# Altium PCB PCB1.PcbDoc (part 1 of 2)
Units mil, origin at the board's own origin, x right, y up, seen from the top; angles counter-clockwise.
Board outline 5128 x 3429 mil, 2 copper layers (Top Layer, Bottom Layer); 202 components, 144 nets, 652 pads, 630 vias.
Unrouted connection lines stored in the file: 1.
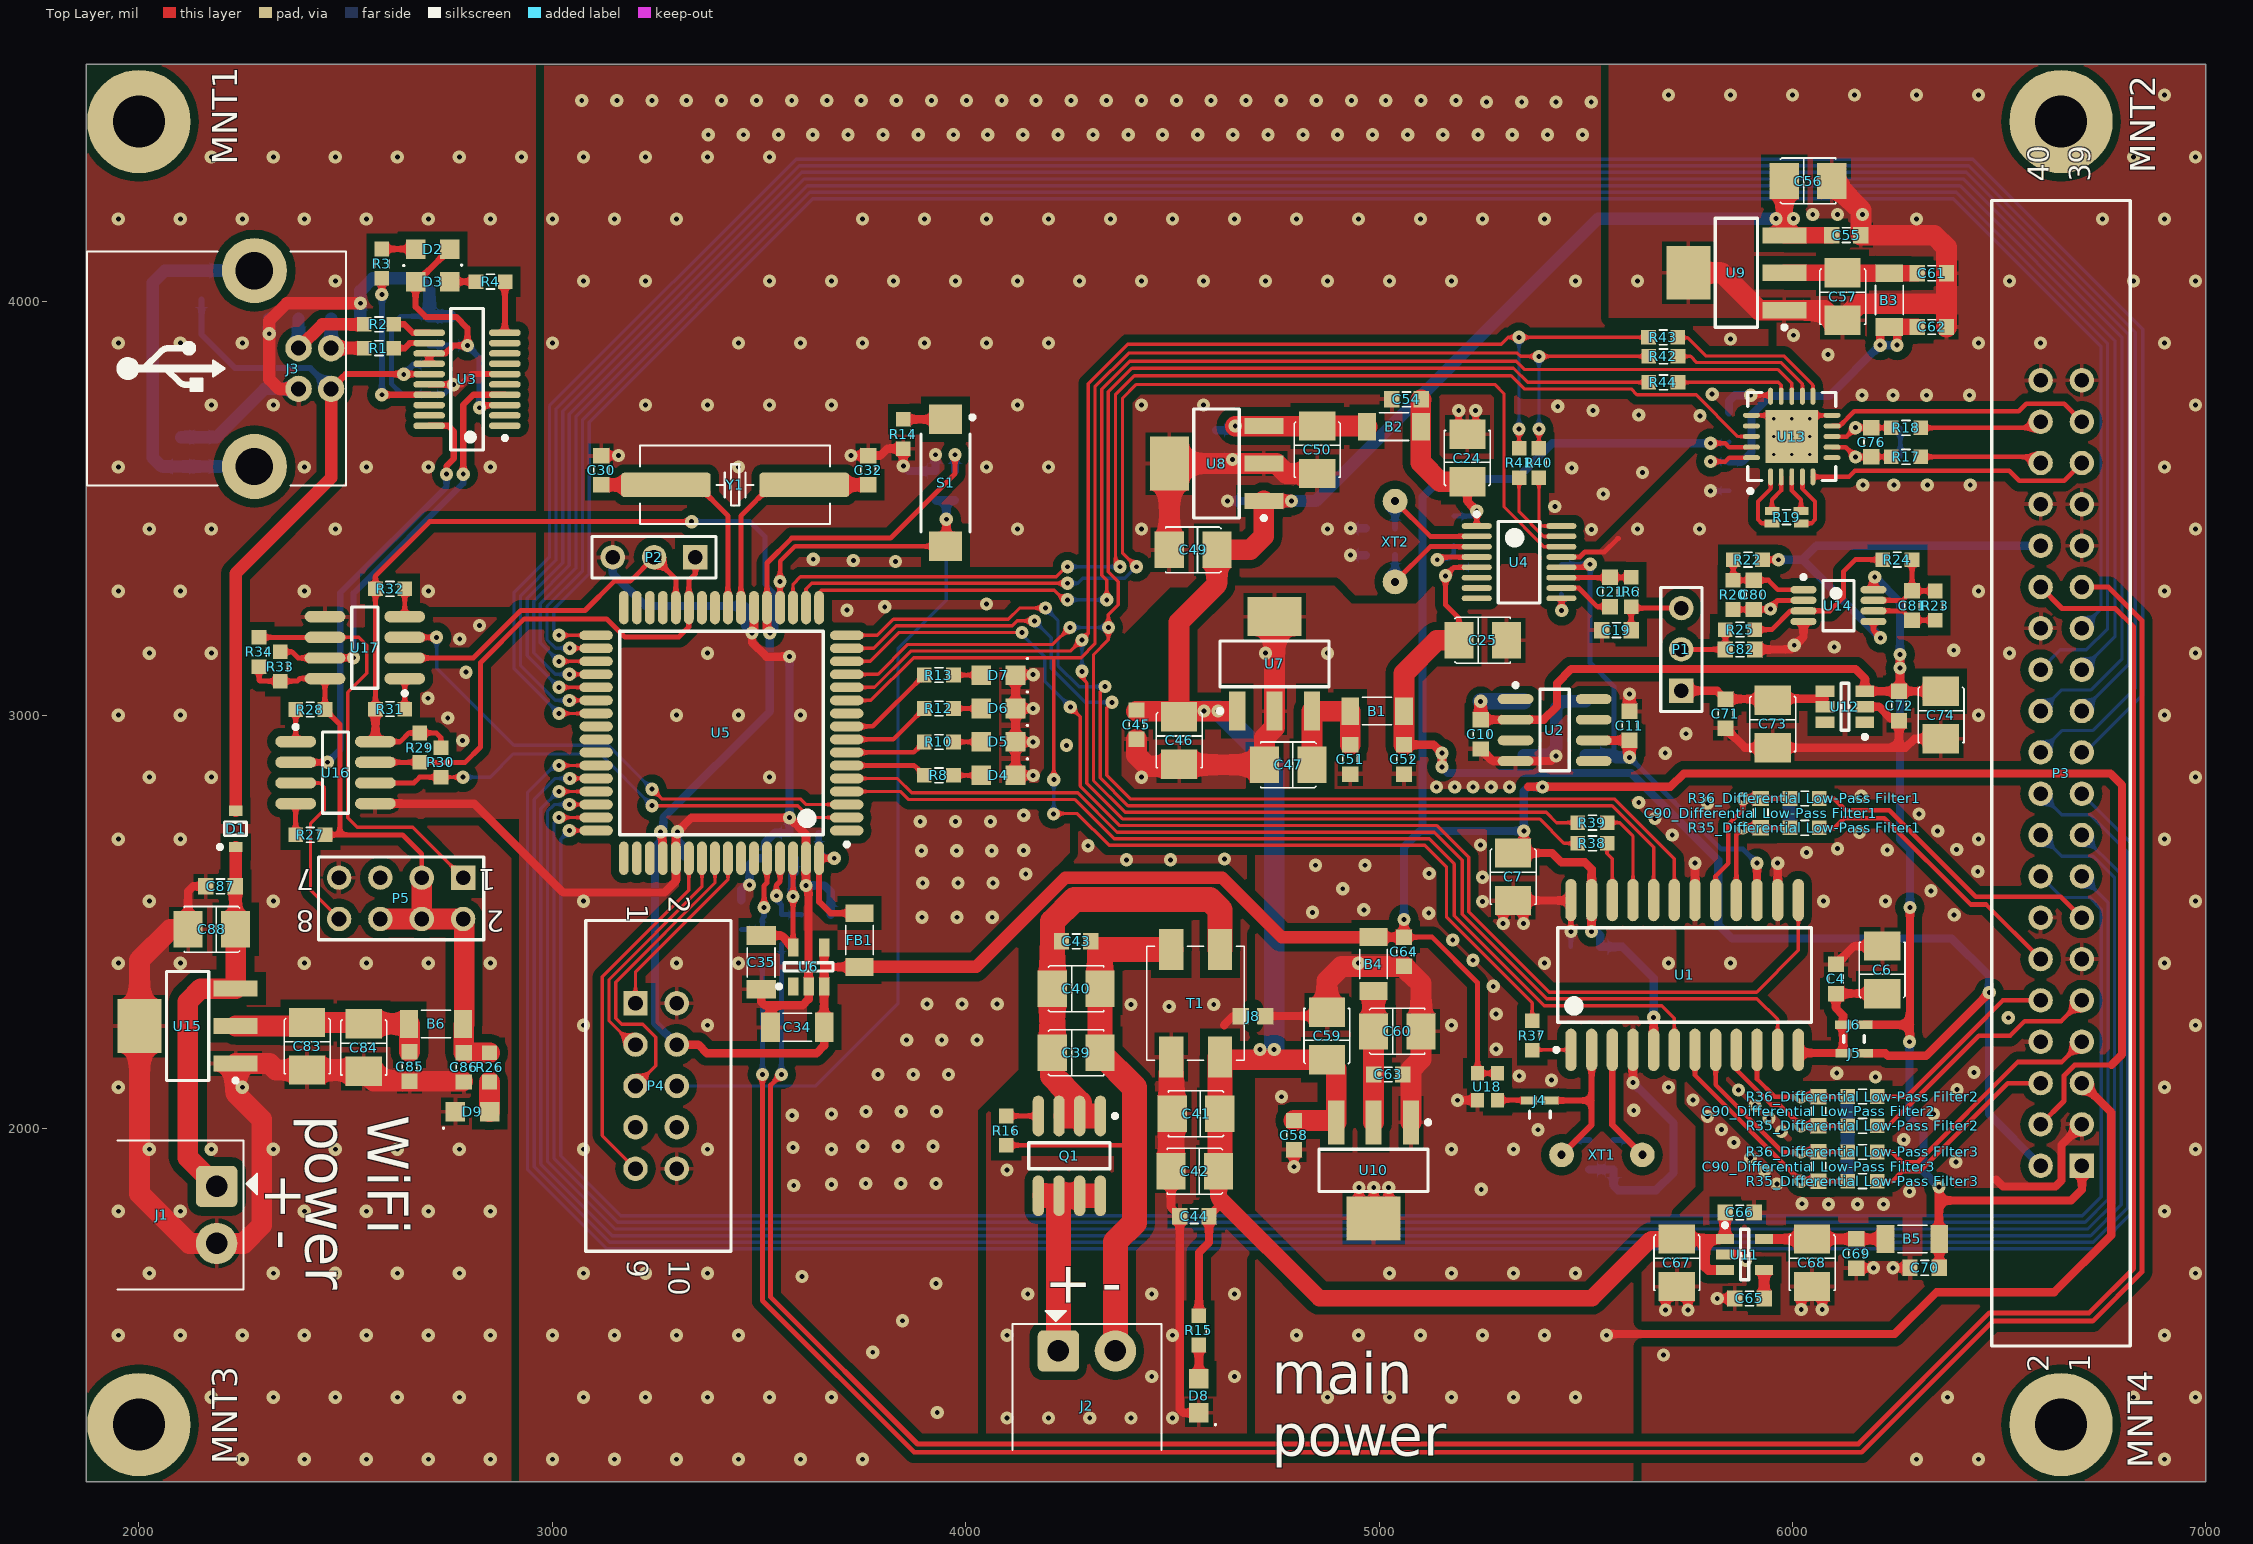
[diagram p0: Top Layer view]
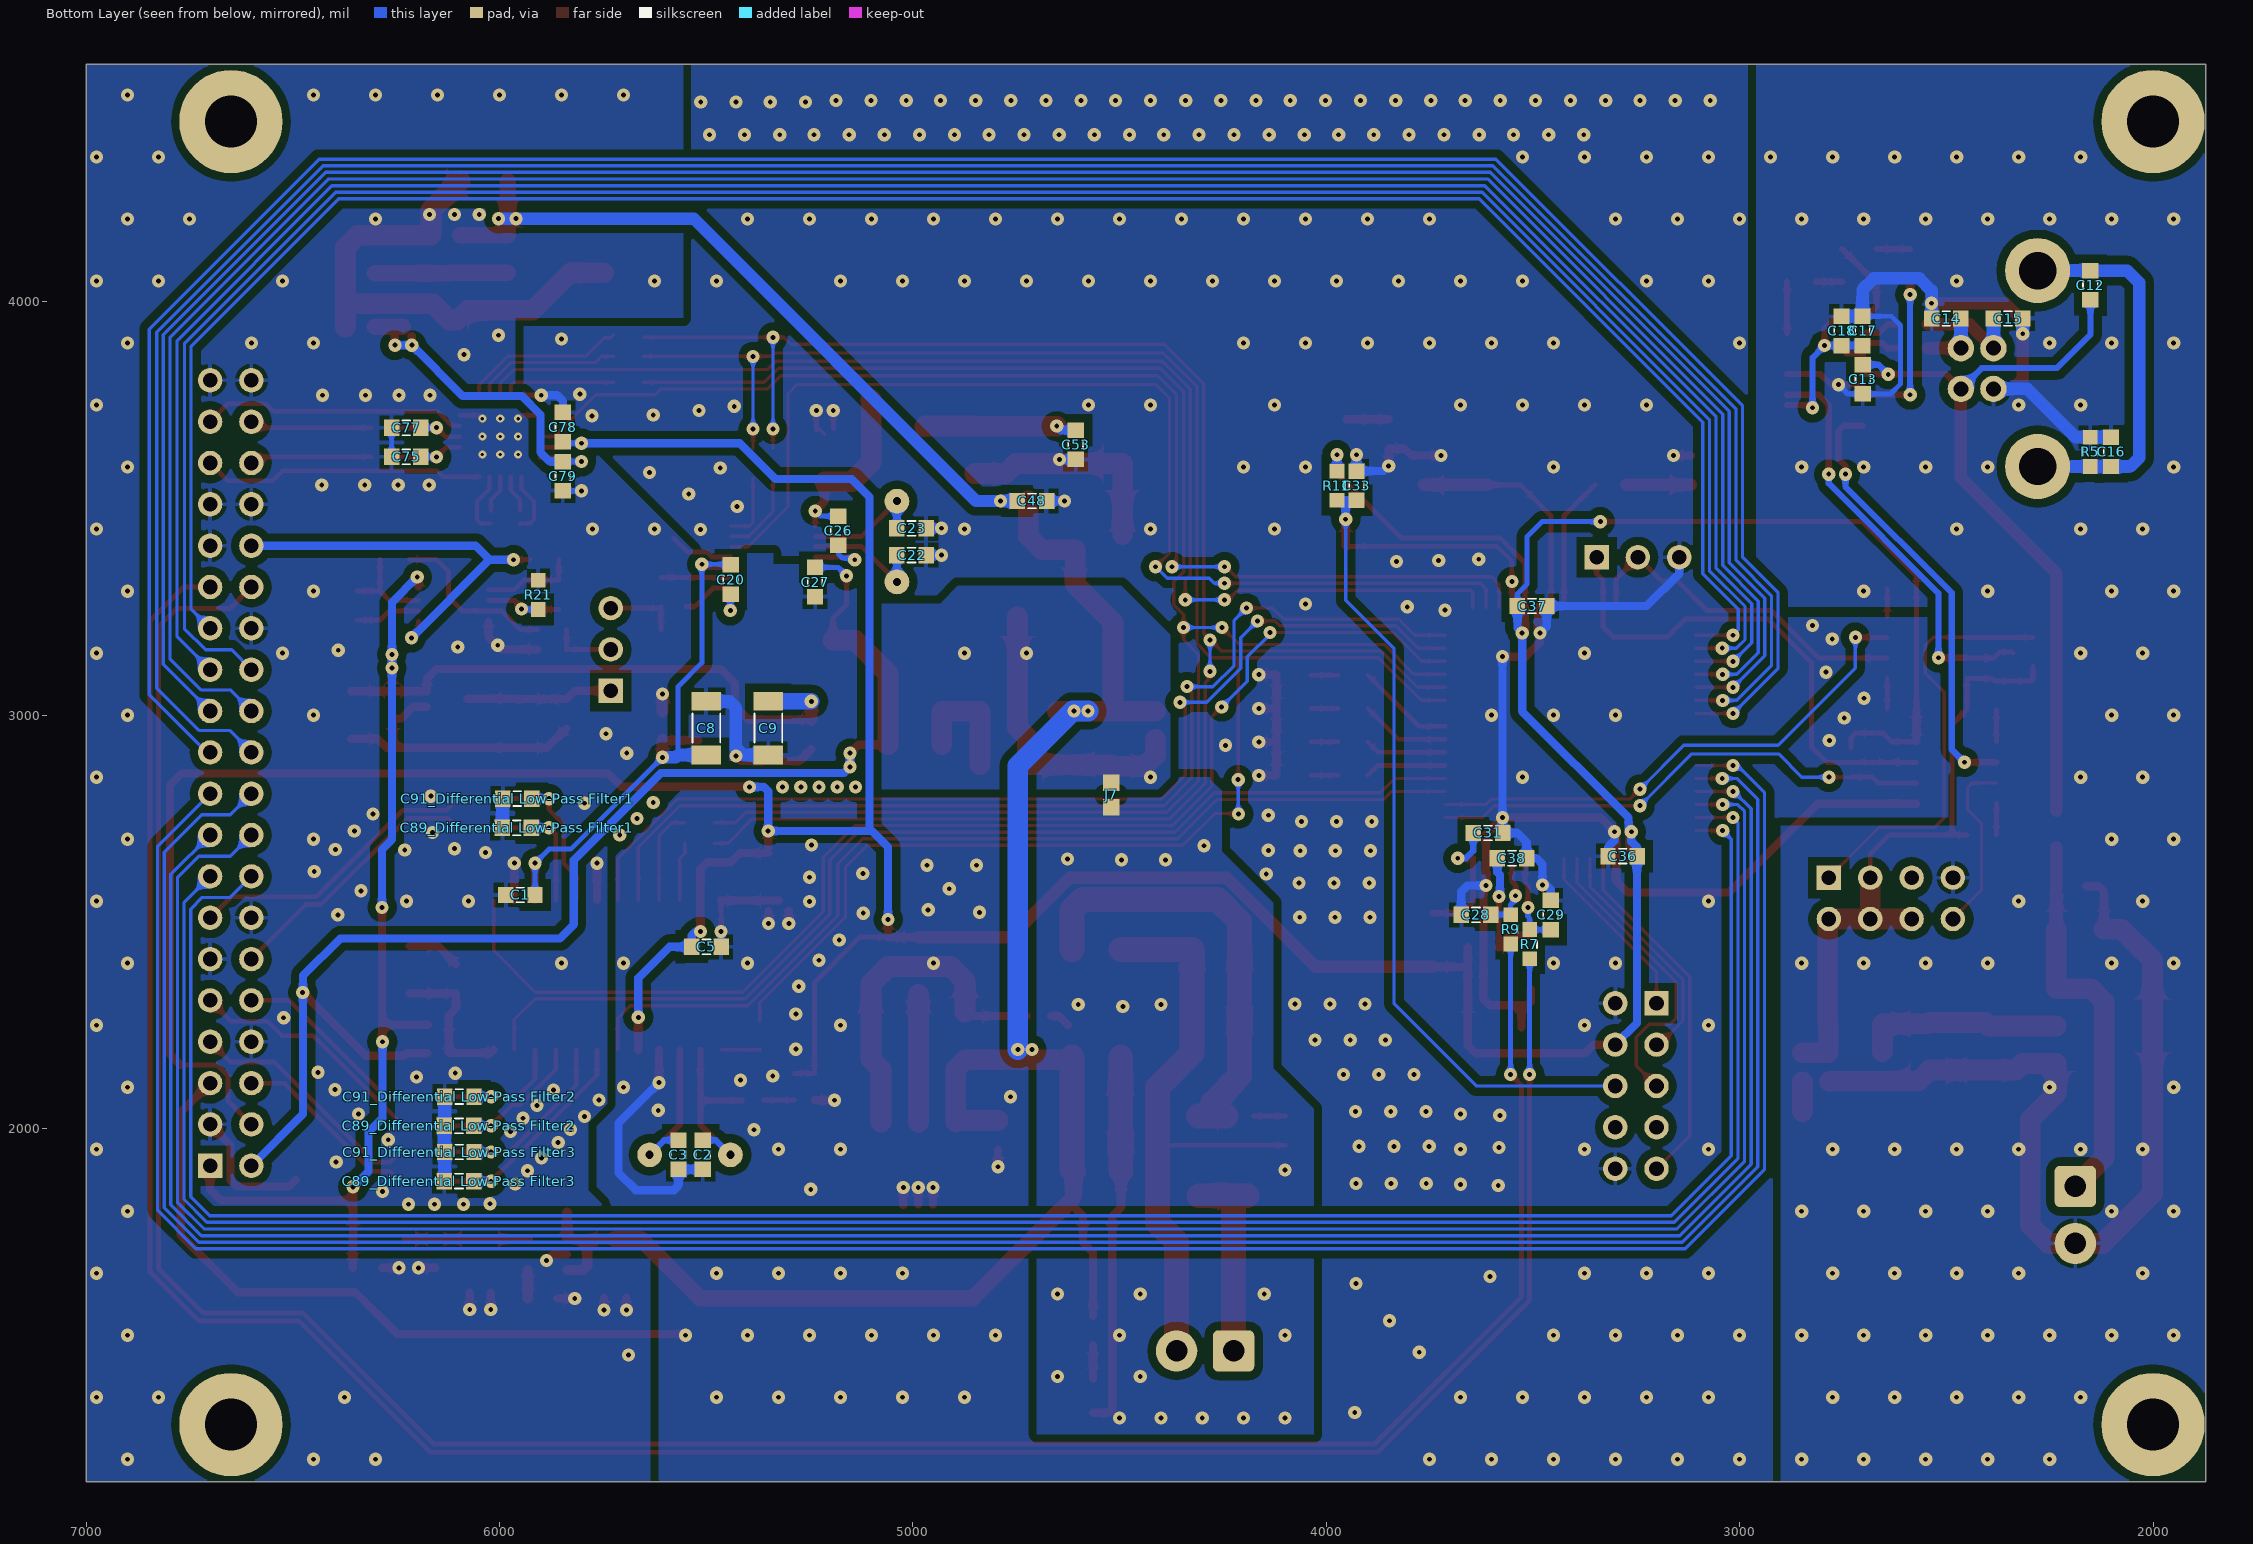
[diagram p1: Bottom Layer view, seen from below]
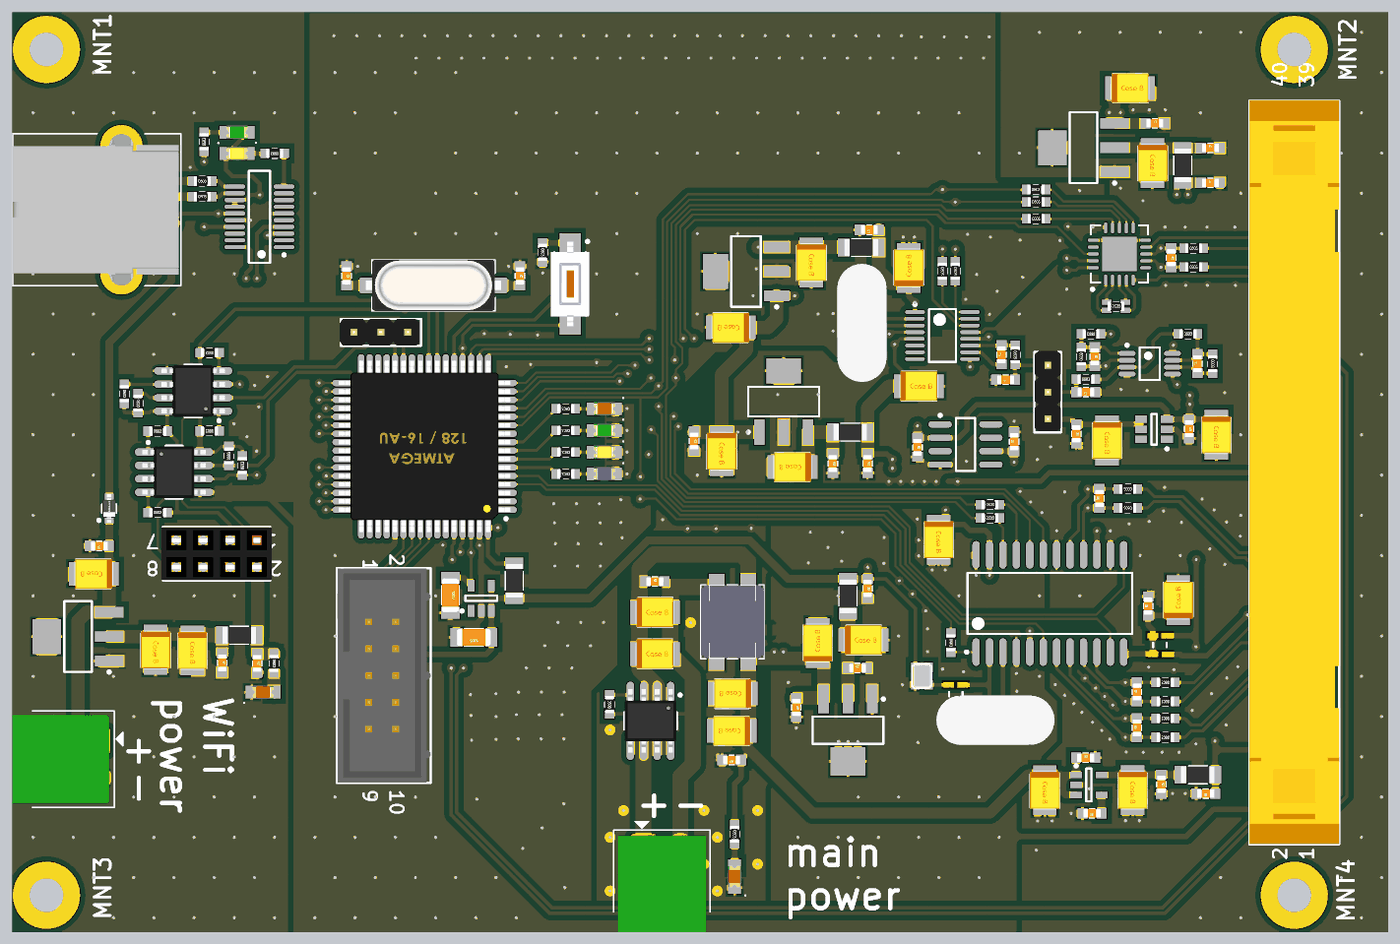
[diagram p3: 3D render of the assembled board from above, using the file's embedded part models]
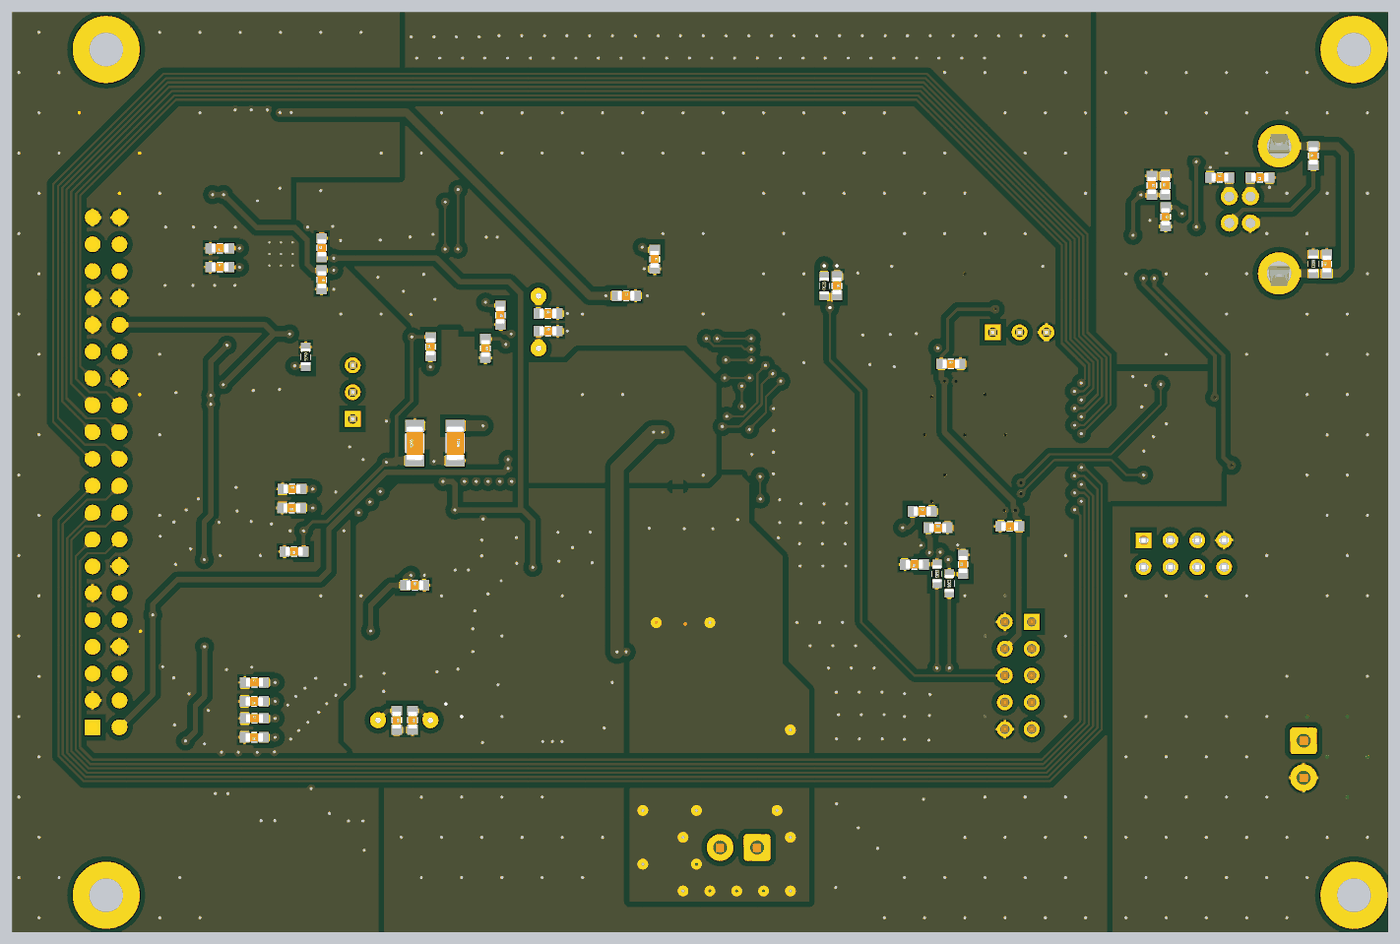
[diagram p4: 3D render of the assembled board from below, using the file's embedded part models]

## Layer stack, top to bottom
Top Solder: solder mask 0.4, Solder Resist, Dk 3.5
Top Layer: signal copper 1.4
Dielectric 1: dielectric 12.6, FR-4, Dk 4.8
Bottom Layer: signal copper 1.4
Bottom Solder: solder mask 0.4, Solder Resist, Dk 3.5

## Board outline
1872,1146 7000,1146 7000,4575 1872,4575

## Design rules (kind name [scope] priority, off if disabled: settings)
Clearance Clearance_Polygons [All vs InPolygon] p1: gap=20
Clearance [All] p2: gap=8 except(7: SMDPad-SMDPad; 10: Poly-Poly Poly-Region Poly-Text)
ComponentClearance ComponentClearance_ESP [InComponent('P5')] p1: gap=0 collisioncheckmode=3 verticalgap=0 showdistances=FALSE
ComponentClearance ComponentClearance_JPER [HasFootprint('2way_LP') OR HasFootprint('2way_MP')] p2: gap=0 collisioncheckmode=3 verticalgap=0 showdistances=FALSE
ComponentClearance [All] p3: gap=10 collisioncheckmode=3 verticalgap=10 showdistances=FALSE
DiffPairsRouting [All] p1: maxlimit=10 minlimit=10 mostfreqgap=10 toplayer_minwidth=15 toplayer_maxwidth=15 toplayer_prefwidth=15 bottomlayer_minwidth=15 bottomlayer_maxwidth=15 bottomlayer_prefwidth=15 maxuncoupledlength=500
PolygonConnect PolygonConnect_Via [IsVia] p1: connectstyle=Direct reliefconductorwidth=10 reliefentries=4 polygonreliefangle="90 Angle" airgapwidth=10
PolygonConnect PolygonConnect_2way_MP [HasFootprint('2way_MP')] p2: connectstyle=Direct reliefconductorwidth=10 reliefentries=4 polygonreliefangle="90 Angle" airgapwidth=10
PolygonConnect PolygonConnect_1 [All] p3: connectstyle=Relief reliefconductorwidth=10 reliefentries=4 polygonreliefangle="90 Angle" airgapwidth=10
RoomDefinition "1 MHz Oscillator" [InComponentClass('1 MHz Oscillator')] p1: confinementstyle=ConfineIn formatcopy=TRUE lockcomponents=FALSE outline 0,0 2000,0 2000,1000 0,1000
RoomDefinition "Power Unit" [InComponentClass('Power Unit')] p2: confinementstyle=ConfineIn formatcopy=TRUE lockcomponents=FALSE outline 0,0 2000,0 2000,1000 0,1000
RoomDefinition top [InComponentClass('top')] p3: confinementstyle=ConfineIn formatcopy=TRUE lockcomponents=FALSE outline 1872,1150 6904,1150 6904,4575 1872,4575
RoomDefinition "Voltage Adjustable Current Source" [InComponentClass('Voltage Adjustable Current Source')] p4: confinementstyle=ConfineIn formatcopy=TRUE lockcomponents=FALSE outline 5718,3108 6436,3108 6436,3422 5718,3422
RoomDefinition "USB Interface" [InComponentClass('USB Interface')] p5: confinementstyle=ConfineIn formatcopy=TRUE lockcomponents=FALSE outline 1872,3503.5 2961.54,3503.5 2961.54,4180.5 1872,4180.5
RoomDefinition "RTD Interface" [InComponentClass('RTD Interface')] p6: confinementstyle=ConfineIn formatcopy=TRUE lockcomponents=FALSE outline 6439,3434 6439,4009 5607,4009 5607,3434
RoomDefinition Optoizolation [InComponentClass('Optoizolation')] p7: confinementstyle=ConfineIn formatcopy=TRUE lockcomponents=FALSE outline 2757.46,3369.27 2142.46,3369.27 2142.46,2588.27 2757.46,2588.27
RoomDefinition MCU [InComponentClass('MCU')] p8: confinementstyle=ConfineIn formatcopy=TRUE lockcomponents=FALSE outline 4517,3765 2998,3765 2998,2018 4517,2018
RoomDefinition ESP8266 [InComponentClass('ESP8266')] p9: confinementstyle=ConfineIn formatcopy=TRUE lockcomponents=FALSE outline 2962,3469 1885.57,3469 1885.57,2034 2962,2034
RoomDefinition "Differential Low-Pass Filter3" [InComponentClass('Differential Low-Pass Filter3')] p10: confinementstyle=ConfineIn formatcopy=TRUE lockcomponents=FALSE outline 5929,1843 6333,1843 6333,1977 5929,1977
RoomDefinition "Differential Low-Pass Filter2" [InComponentClass('Differential Low-Pass Filter2')] p11: confinementstyle=ConfineIn formatcopy=TRUE lockcomponents=FALSE outline 5929,1977 6333,1977 6333,2111 5929,2111
RoomDefinition "Differential Low-Pass Filter1" [InComponentClass('Differential Low-Pass Filter1')] p12: confinementstyle=ConfineIn formatcopy=TRUE lockcomponents=FALSE outline 5789,2698 6193,2698 6193,2832 5789,2832
RoomDefinition DAC [InComponentClass('DAC')] p13: confinementstyle=ConfineIn formatcopy=TRUE lockcomponents=FALSE outline 4927.48,3112 5756.48,3112 5756.48,3878.43 4927.48,3878.43
RoomDefinition "Analog Backend" [InComponentClass('Analog Backend')] p14: confinementstyle=ConfineIn formatcopy=TRUE lockcomponents=FALSE outline 4667,2585 6438,2585 6438,3431 4667,3431
RoomDefinition ADC [InComponentClass('ADC')] p15: confinementstyle=ConfineIn formatcopy=TRUE lockcomponents=FALSE outline 4297,1736.51 6339,1736.51 6339,3002.15 4297,3002.15
RoomDefinition "2.5 V Reference" [InComponentClass('2.5 V Reference')] p16: confinementstyle=ConfineIn formatcopy=TRUE lockcomponents=FALSE outline 5207.51,2845 5644.51,2845 5644.51,3085 5207.51,3085
RoomDefinition "0.5 V Reference" [InComponentClass('0.5 V Reference')] p17: confinementstyle=ConfineIn formatcopy=TRUE lockcomponents=FALSE outline 6433.77,3110 5803.77,3110 5803.77,2866.4 6433.77,2866.4
RoutingVias [All] p1: holewidth=28 width=50 viastyle="Through Hole" minholewidth=28 minwidth=50 maxholewidth=28 maxwidth=50
SolderMaskExpansion [All] p1: expansion=4
Width [All] p1: maxlimit=100 minlimit=7 preferedwidth=10 minimp=50.000000 maximp=50.000000 favimp=50.000000
28 further rules are at their usual default settings.

## Classes and differential pairs
channel class differential_lowpass: "Differential Low-Pass Filter1" "Differential Low-Pass Filter2" "Differential Low-Pass Filter3"
component class "Voltage Adjustable Current Source": C80 C81 C82 R20 R21 R22 R23 R24 R25 U14
component class "USB Interface": C12 C13 C14 C15 C16 C17 C18 D2 D3 J3 R1 R2 R3 R4 R5 U3
component class top: D1 J1 J2 MNT1 MNT2 MNT3 MNT4 P2 P3 P4
component class "RTD Interface": C75 C76 C77 C78 C79 R17 R18 R19 R42 R43 R44 U13
component class "Power Unit": B1 B2 B3 B4 B5 C39 C40 C41 C42 C43 C44 C45 C46 C47 C48 C49 C50 C51 C52 C53 C54 C55 C56 C57 C58 C59 C60 C61 C62 C63 C64 C65 C66 C67 C68 C69 C70 D8 J7 J8 Q1 R15 R16 T1 U7 U8 U9 U10 U11
component class Optoizolation: R27 R28 R29 R30 R31 R32 R33 R34 U16 U17
component class MCU: C28 C29 C30 C31 C32 C33 C34 C35 C36 C37 C38 D4 D5 D6 D7 FB1 R7 R8 R9 R10 R11 R12 R13 R14 S1 U5 U6 Y1
component class ESP8266: B6 C83 C84 C85 C86 C87 C88 D9 P5 R26 U15
component class "Differential Low-Pass Filter3": "C89_Differential Low-Pass Filter3" "C90_Differential Low-Pass Filter3" "C91_Differential Low-Pass Filter3" "R35_Differential Low-Pass Filter3" "R36_Differential Low-Pass Filter3"
component class "Differential Low-Pass Filter2": "C89_Differential Low-Pass Filter2" "C90_Differential Low-Pass Filter2" "C91_Differential Low-Pass Filter2" "R35_Differential Low-Pass Filter2" "R36_Differential Low-Pass Filter2"
component class "Differential Low-Pass Filter1": "C89_Differential Low-Pass Filter1" "C90_Differential Low-Pass Filter1" "C91_Differential Low-Pass Filter1" "R35_Differential Low-Pass Filter1" "R36_Differential Low-Pass Filter1"
component class DAC: C19 C20 C21 C22 C23 C24 C25 C26 C27 R6 R40 R41 U4 XT2
component class "Analog Backend": P1
component class ADC: C1 C2 C3 C4 C5 C6 C7 J4 J5 J6 R37 R38 R39 U1 XT1
component class "2.5 V Reference": C8 C9 C10 C11 U2
component class "0.5 V Reference": C71 C72 C73 C74 U12
component class "1 MHz Oscillator": U18
differential pair USB: +USB_P -USB_N
differential pair USB2: +USB2_P -USB2_N
differential pair DAC_MCLK: +DAC_MCLK_P -DAC_MCLK_N
differential pair ADC_MCLK: +ADC_MCLK_P -ADC_MCLK_N

## Components (designator, comment, footprint, x,y, rotation, side; value= is the part's Value field where it differs from the comment)
B1 "120R/100MHz" SMD_FerriteBead_1206 4995,3009.83 r0 top
B2 "120R/100MHz" SMD_FerriteBead_1206 5036,3698 r0 top
B3 "120R/100MHz" SMD_FerriteBead_1206 6234,4004 r270 top
B4 "120R/100MHz" SMD_FerriteBead_1206 4986.44,2398 r90 top
B5 "120R/100MHz" SMD_FerriteBead_1206 6290,1733 r0 top
B6 "120R/100MHz" SMD_FerriteBead_1206 2718.57,2253 r0 top
C1 "100n/50V" SMD_Capacitor_0603 5949.43,2565 r0 bottom
C2 "10p/50V" SMD_Capacitor_0603 5508,1936.51 r270 bottom
C3 "10p/50V" SMD_Capacitor_0603 5567,1936.51 r270 bottom
C4 "100n/50V" SMD_Capacitor_0603 6105,2361.84 r90 top
C5 "100n/50V" SMD_Capacitor_0603 5499.43,2439.49 r180 bottom
C6 "10u/16V" Tantalum_cap_B 6217,2383.89 r90 top
C7 "10u/16V" Tantalum_cap_B 5324,2609 r270 top
C8 "10u/16V" SMD_Capacitor_1206 5499.51,2968.53 r90 bottom
C9 "10u/16V" SMD_Capacitor_1206 5349.51,2968.53 r270 bottom
C10 "100n/50V" SMD_Capacitor_0603 5245.51,2953.57 r270 top
C11 "100n/50V" SMD_Capacitor_0603 5605.51,2974.43 r90 top
C12 "0603" SMD_Capacitor_0603 2151.54,4040.07 r90 bottom
C13 "0603" SMD_Capacitor_0603 2702,3812.5 r270 bottom
C14 "0603" SMD_Capacitor_0603 2500.13,3959.5 r180 bottom
C15 "0603" SMD_Capacitor_0603 2350.52,3959.5 r0 bottom
C16 "0603" SMD_Capacitor_0603 2101.54,3636.93 r90 bottom
C17 "0603" SMD_Capacitor_0603 2702.54,3929.5 r90 bottom
C18 "0603" SMD_Capacitor_0603 2753.54,3929.5 r270 bottom
C19 "C" C0603 5574.05,3205.43 r180 top
C20 "10n" C0603 5440.48,3328 r90 bottom
C21 "3.3n" C0603 5558.48,3298 r90 top
C22 "10p/50V" SMD_Capacitor_0603 5003.05,3387 r180 bottom
C23 "10p/50V" SMD_Capacitor_0603 5003.05,3452 r180 bottom
C24 "4.7u" Tantalum_cap_B 5213.48,3622 r90 top
C25 "4.7u" Tantalum_cap_B 5250.48,3181 r0 top
C26 "10n" C0603 5180.48,3446 r270 bottom
C27 "10n" C0603 5236.48,3322 r270 bottom
C28 "100n/50V" SMD_Capacitor_0603 3638,2517 r0 bottom
C29 "100n/50V" SMD_Capacitor_0603 3457,2516.87 r90 bottom
C30 "0603" SMD_Capacitor_0603 3118,3592.43 r270 top
C31 "100n/50V" SMD_Capacitor_0603 3609,2715 r180 bottom
C32 "0603" SMD_Capacitor_0603 3764,3592.43 r270 top
C33 "0603" SMD_Capacitor_0603 3927,3555 r270 bottom
C34 "Cap" SMD_Capacitor_1206 3592.44,2245 r180 top
C35 "Cap" SMD_Capacitor_1206 3505,2402 r270 top
C36 "100n/50V" SMD_Capacitor_0603 3283,2659 r0 bottom
C37 "100n/50V" SMD_Capacitor_0603 3502,3264 r180 bottom
C38 "100n/50V" SMD_Capacitor_0603 3550.73,2653.85 r180 bottom
C39 "47u/16V" Tantalum_cap_B 4267,2183 r0 top
C40 "47u/16V" Tantalum_cap_B 4267,2338 r0 top
C41 "47u/16V" Tantalum_cap_B 4557,2036 r180 top
C42 "47u/16V" Tantalum_cap_B 4554,1897 r180 top
C43 "100n/50V" SMD_Capacitor_0603 4267,2453 r0 top
C44 "100n/50V" SMD_Capacitor_0603 4553,1788 r180 top
C45 "100n/50V" SMD_Capacitor_0603 4413,2977 r270 top
C46 "47u/16V" Tantalum_cap_B 4516,2939 r270 top
C47 "47u/16V" Tantalum_cap_B 4780.07,2880 r180 top
C48 "100n/50V" SMD_Capacitor_0603 4712,3518.17 r180 bottom
C49 "47u/16V" Tantalum_cap_B 4550.06,3400 r180 top
C50 "47u/16V" Tantalum_cap_B 4850,3642 r270 top
C51 "100n/50V" SMD_Capacitor_0603 4930.04,2893 r270 top
C52 "100n/50V" SMD_Capacitor_0603 5059.96,2893 r270 top
C53 "100n/50V" SMD_Capacitor_0603 4606,3654 r270 bottom
C54 "100n/50V" SMD_Capacitor_0603 5066,3764 r180 top
C55 "100n/50V" SMD_Capacitor_0603 6130,4161 r0 top
C56 "47u/16V" Tantalum_cap_B 6037.62,4292 r0 top
C57 "47u/16V" Tantalum_cap_B 6121,4012.52 r270 top
C58 "100n/50V" SMD_Capacitor_0603 4794,1984 r270 top
C59 "47u/16V" Tantalum_cap_B 4874,2224 r90 top
C60 "47u/16V" Tantalum_cap_B 5043.92,2235 r0 top
C61 "100n/50V" SMD_Capacitor_0603 6337,4068.96 r0 top
C62 "100n/50V" SMD_Capacitor_0603 6337,3939.04 r0 top
C63 "100n/50V" SMD_Capacitor_0603 5021.87,2131 r0 top
C64 "100n/50V" SMD_Capacitor_0603 5060,2427.53 r270 top
C65 "Cap" SMD_Capacitor_0603 5895.83,1589 r180 top
C66 "100n/50V" SMD_Capacitor_0603 5872.21,1797 r0 top
C67 "47u/16V" Tantalum_cap_B 5720,1675.21 r270 top
C68 "47u/16V" Tantalum_cap_B 6047,1675.48 r270 top
C69 "100n/50V" SMD_Capacitor_0603 6154,1697.53 r270 top
C70 "100n/50V" SMD_Capacitor_0603 6319.53,1663 r180 top
C71 "100n/50V" SMD_Capacitor_0603 5837.77,3003.4 r270 top
C72 "100n/50V" SMD_Capacitor_0603 6257.77,3022.37 r270 top
C73 "10u" Tantalum_cap_B 5951.77,2978.67 r270 top
C74 "10u" Tantalum_cap_B 6358.77,3000.32 r270 top
C75 "100n/50V" SMD_Capacitor_0603 6225.57,3625 r180 bottom
C76 "100n/50V" SMD_Capacitor_0603 6190.57,3660 r270 top
C77 "100n/50V" SMD_Capacitor_0603 6225.57,3695 r0 bottom
C78 "100n/50V" SMD_Capacitor_0603 5846.57,3697 r90 bottom